# Allegro board TNR_REV00_150306.brd (continued)
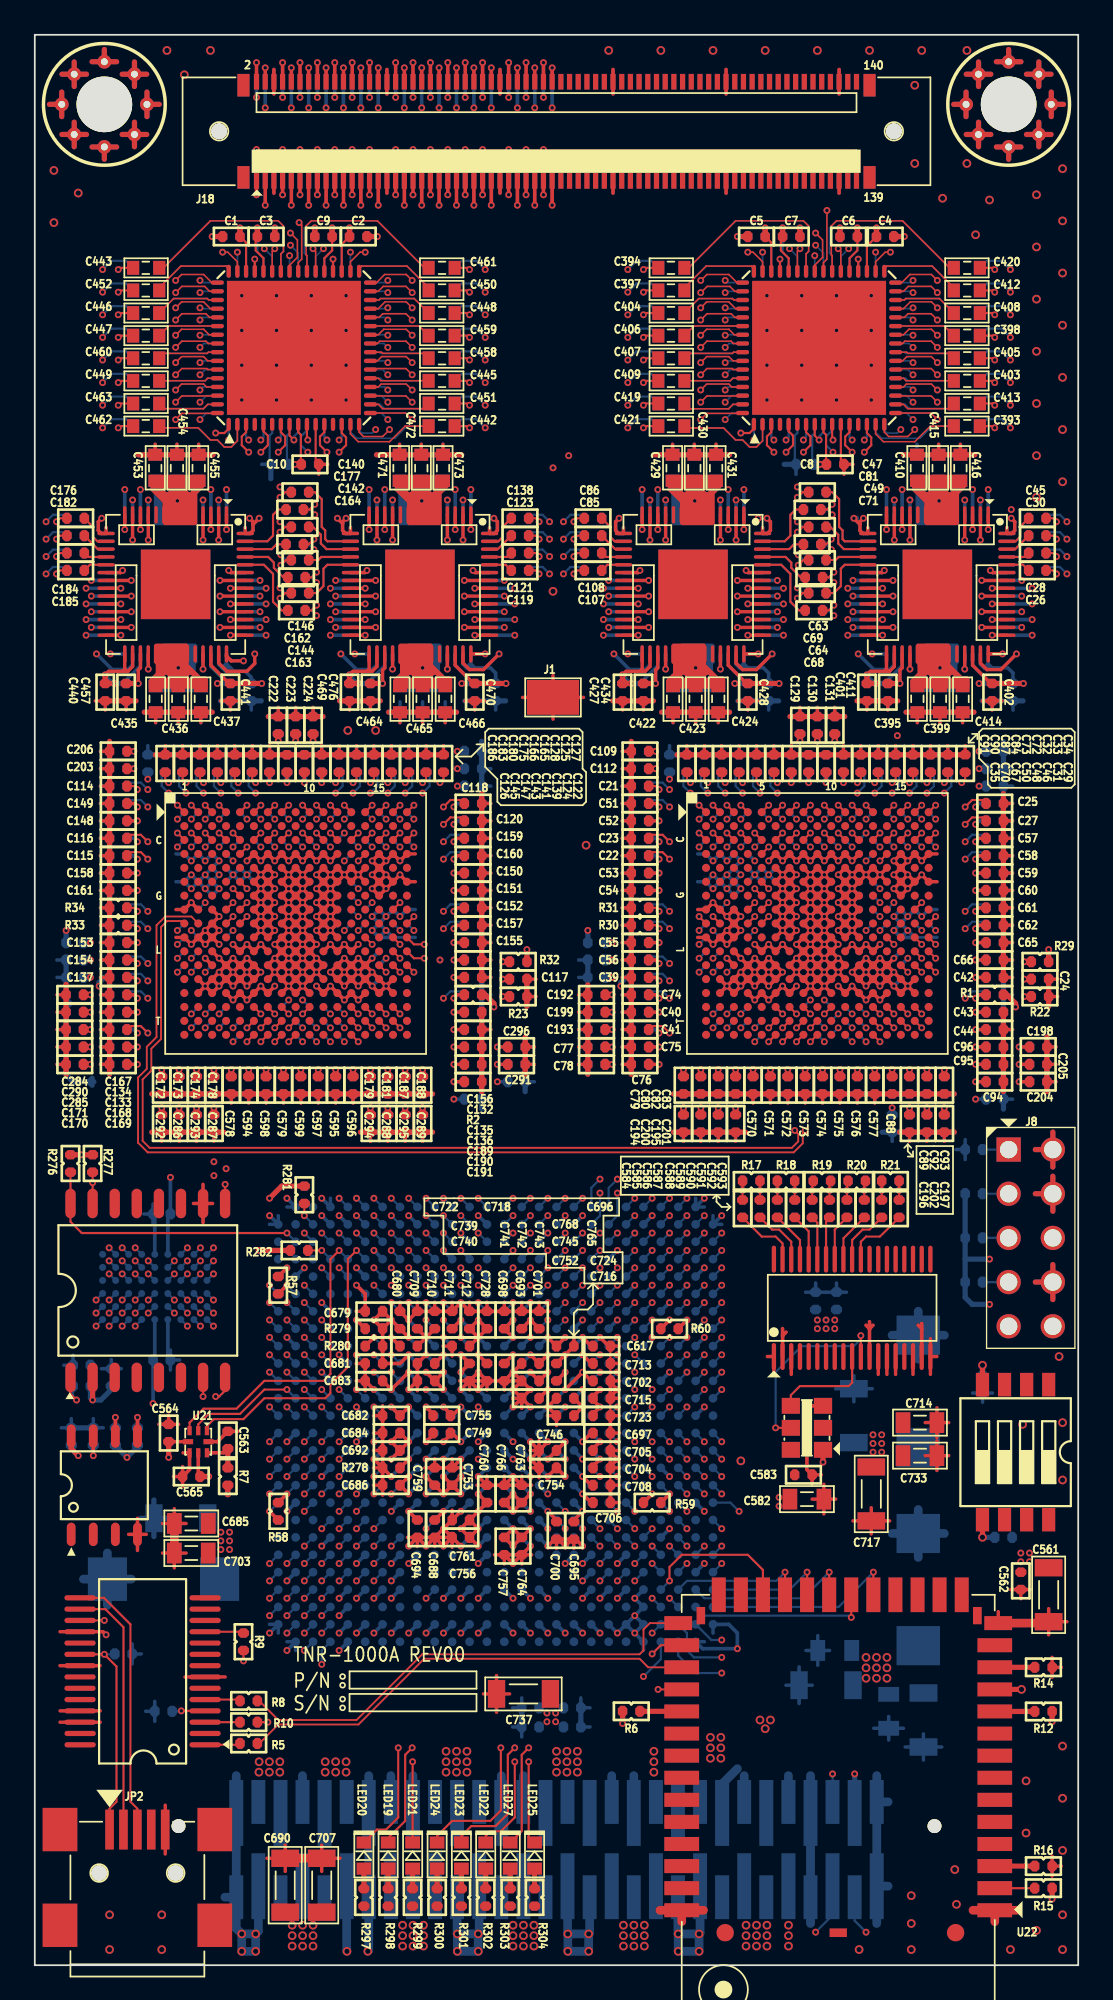
[diagram p0: board, top side]
## Routing (per net, layer and track width the routed paths; a pad name or vN(x,y) marks a point on that pad's centre or on a via; arc(x,y) is an arc through that point) (continued)
  6-IN w0.085: v1(44.3,48) 44.14,47.84 44.14,47.06 45.34,45.86 45.34,44.7 45.49,44.55 v1(45.7,44.55)
AFE2_CLKP: length 60.5
  TOP w0.11: v1(43.7,48) 43.9,47.8 43.9,47.37 43.53,47 6.6,47 6.2,47.4 6.2,50.93 6.7,51.43 6.7,52.7 7.26,53.26 7.26,59.69 7.61,60.04 8.49,60.04 8.6,59.93 U8.J1
  TOP w0.125: R19.2 44.7,45.04 v1(44.7,44.55) C588.1
  6-IN w0.085: v1(43.7,48) 43.86,47.84 43.86,46.94 45.06,45.74 45.06,43.56 45,43.5 44.8,43.5 44.7,43.6 v1(44.7,44.55)
AFE2_DCLKM: length 32.2
  TOP w0.125: U8.U9 v1(14.6,53.1)
  3-IN w0.085: v1(20.5,27.1) 20.3,27.1 20.2,27.2 20.2,27.41 19.87,27.74 17.35,27.74 17.13,27.96 17.13,44.57 16.73,44.98 15.31,44.98 14.94,45.35 14.94,51.86 14.47,52.33 14.47,52.98 v1(14.6,53.1)
  BOTTOM w0.125: U88.U19 v1(20.5,27.1)
AFE2_DCLKP: length 33.3
  TOP w0.125: U8.T9 v1(14.6,53.9)
  3-IN w0.085: v1(14.6,53.9) 14.6,53.6 14.2,53.2 14.2,52.21 14.66,51.75 14.66,45.23 15.2,44.7 16.61,44.7 16.86,44.46 16.86,27.84 17.23,27.46 19.76,27.46 19.93,27.3 19.93,27.2 19.82,27.1 v1(19.5,27.1)
  BOTTOM w0.125: U88.U20 v1(19.5,27.1)
AFE2_FCLKM: length 40.4
  TOP w0.125: U8.R8 v1(14.6,54.7)
  TOP w0.21: R58.2 v1(13.5,26.1)
  4-IN w0.085: v1(14.6,54.7) 14.2,54.3 14.2,53 14.67,52.53 14.67,47.33 15.3,46.7 17.91,46.7 19.86,44.75 19.86,31.78 19.69,31.6 14.3,31.6 13.86,31.16 13.86,26.46 v1(13.5,26.1)
  BOTTOM w0.125: U88.V26 v1(13.5,26.1)
AFE2_FCLKP: length 40.3
  TOP w0.125: U8.R10 v1(15.4,54.7)
  TOP w0.21: R58.1 v1(14.5,27.1)
  4-IN w0.085: v1(15.4,54.7) 15.01,54.31 15.01,52.81 14.95,52.74 14.95,47.44 15.41,46.98 18.02,46.98 20.14,44.86 20.14,31.66 19.8,31.32 14.41,31.32 14.14,31.05 14.14,26.76 14.2,26.7 14.5,26.7 14.6,26.8 14.6,27 v1(14.5,27.1)
  BOTTOM w0.125: U88.U25 v1(14.5,27.1)
AFE2_RESET: length 40.2
  TOP w0.125: v1(22.4,57.9) 21.8,57.9 U8.L17
  9-IN w0.095: v1(36.5,39.1) U88.F4 36,36 35.5,35.5 34,35.5 33.8,35.7 24.3,35.7 24.1,35.9 24.1,48.7 23.7,49.1 23.7,54.7 22.8,55.6 22.8,57.5 v1(22.4,57.9)
  BOTTOM w0.125: U88.F4 v1(36.5,39.1)
AFE2_SCLK: length 48
  TOP w0.125: U8.J17 v1(21.8,60.3)
  9-IN w0.095: v1(39.5,38.1) 39,38.6 38.3,38.6 37.9,38.2 37.9,34.9 37.6,34.6 35.7,34.6 35.6,34.5 34,34.5 33.9,34.6 23.4,34.6 23,35 23,54.5 22.2,55.3 22.2,57.2 21.7,57.7 21.7,58.7 22.2,59.2 22.2,59.9 v1(21.8,60.3)
  BOTTOM w0.125: U88.G1 v1(39.5,38.1)
AFE2_SDATA: length 46.8
  TOP w0.125: U8.L16 v1(21,57.9)
  9-IN w0.095: v1(38.5,38.1) 38.1,37.7 38.1,34.1 37.7,33.7 36.1,33.7 35.9,33.5 22.2,33.5 21.9,33.8 21.9,47.8 21.7,48 21.7,54.7 20.6,55.8 20.6,57.5 v1(21,57.9)
  BOTTOM w0.125: U88.G2 v1(38.5,38.1)
AFE2_SDOUT: length 39.6
  TOP w0.125: U8.H16 v1(21,61.1)
  9-IN w0.095: v1(21,61.1) 21.4,60.7 21.4,55.4 21.9,54.9 21.9,48.2 22.1,48 22.1,33.9 22.3,33.7 32.1,33.7 v1(32.5,34.1)
  BOTTOM w0.125: U88.L8 v1(32.5,34.1)
AFE2_SEN: length 42.3
  TOP w0.125: U8.K17 21.8,58.7 v1(22.4,58.7)
  9-IN w0.095: v1(22.4,58.7) 22,58.3 22,57.7 22.6,57.1 22.6,55.5 23.5,54.6 23.5,49 23.9,48.6 23.9,35.8 24.2,35.5 33.7,35.5 34,35.2 34,35 34.3,34.7 35.1,34.7 36,35.6 36.7,35.6 37,35.9 U88.G3 v1(37.5,38.1)
  BOTTOM w0.125: U88.G3 v1(37.5,38.1)
AFE2_SLOPE: length 43.1
  TOP w0.125: U8.H4 v1(11.4,61.1)
  3-IN w0.095: v1(11.4,61.1) 11.8,60.7 12.4,60.7 12.6,60.5 12.6,58.4 13.5,57.5 18,57.5 18.2,57.3 18.2,56.9 18.4,56.7 18.8,56.7 19,56.5 19,56.1 19.5,55.6 21.3,55.6 22,54.9 22,53.45 23.1,52.35 23.1,49.15 26.35,45.9 33.6,45.9 34,45.5 34,39 34.4,38.6 34.7,38.6 35.2,38.1 v1(35.5,38.1)
  BOTTOM w0.125: U88.G5 v1(35.5,38.1)
AFE2_TX_TRIG: length 39.8
  TOP w0.125: U8.M15 v1(20.2,57.1)
  9-IN w0.095: v1(23.3,57.8) 23.8,57.3 24.4,57.3 25,56.7 25,36.9 25.4,36.5 33.7,36.5 33.9,36.3 33.9,35.9 34.1,35.7 34.7,35.7 35,36 35,37.6 v1(34.5,38.1)
  11-IN w0.095: v1(23.3,57.8) 23,57.5 20.6,57.5 v1(20.2,57.1)
  BOTTOM w0.125: U88.G6 v1(34.5,38.1)
AFE2_UP/DN: length 57.3
  TOP w0.125: U8.J4 v1(11.4,60.3)
  9-IN w0.095: v1(38.5,37.1) 38.9,36.7 38.9,33.96 38.44,33.5 36.3,33.5 36,33.2 36,33 35.6,32.6 21.3,32.6 21,32.9 21,47 17.8,50.2 17.8,52.2 17.4,52.6 17.4,55 16.5,55.9 12,55.9 11.8,56.1 11.8,59.9 v1(11.4,60.3)
  BOTTOM w0.125: U88.H2 v1(38.5,37.1)
AFE3_CLKN: length 60.7
  TOP w0.125: C591.1 v1(47.7,44.55) 47.7,45.03 R20.1
  3-IN w0.085: v1(21,59.5) 21.2,59.5 21.6,59.1 21.9,59.1 22.8,60 22.8,60.8 23.1,61.1 25.8,61.1 26.27,61.58 26.27,68.69 26.41,68.83 26.66,68.83 26.82,68.66 26.82,58.79 28.1,57.51 28.1,47.9 28.7,47.3 36.2,47.3 40.58,42.92 46.92,42.92 47.34,43.34 47.34,44.44 47.45,44.55 v1(47.7,44.55)
  BOTTOM w0.125: U10.J2 v1(21,59.5)
AFE3_CLKP: length 60.6
  TOP w0.125: C590.1 v1(46.7,44.55) 46.7,45.03 R20.2
  3-IN w0.085: v1(46.7,44.55) 46.7,44.8 46.8,44.9 47,44.9 47.06,44.84 47.06,43.45 46.81,43.2 40.69,43.2 36.31,47.58 28.81,47.58 28.38,48.01 28.38,57.62 27.1,58.9 27.1,68.78 26.77,69.1 26.3,69.1 26,68.8 26,61.69 25.69,61.38 22.99,61.38 22.52,60.91 22.52,60.11 22.21,59.8 21.6,59.8 21.5,59.7 21.5,59.58 21.63,59.45 21.75,59.45 v1(21.8,59.5)
  BOTTOM w0.125: U10.J1 v1(21.8,59.5)
AFE3_DCLKM: length 40.2
  9-IN w0.085: v1(15.4,53.1) 15.28,52.98 15.28,52.73 15.95,52.05 15.95,51.14 20.14,46.95 20.14,31.95 20.52,31.57 34.78,31.57 34.86,31.65 34.86,32.04 34.8,32.1 v1(34.5,32.1)
  BOTTOM w0.125: U88.N6 v1(34.5,32.1) ; U10.U9 v1(15.4,53.1)
AFE3_DCLKP: length 42
  9-IN w0.085: v1(35.5,32.1) 35.2,32.1 35.14,32.04 35.14,31.54 34.89,31.29 20.41,31.29 19.86,31.84 19.86,46.84 15.67,51.03 15.67,51.94 15,52.61 15,53.2 15.4,53.6 v1(15.4,53.9)
  BOTTOM w0.125: U10.T9 v1(15.4,53.9) ; U88.N5 v1(35.5,32.1)
AFE3_FCLKM: length 51.3
  TOP w0.21: R59.2 v1(35.5,27.1)
  3-IN w0.085: v1(35.5,27.1) 35.8,27.1 35.86,27.04 35.86,25.81 35.78,25.73 27.27,25.73 26.6,26.4 26.6,28 25.86,28.73 19.15,28.73 18.14,29.75 18.14,44.75 17.11,45.77 16.28,45.77 15.94,46.11 15.94,52.31 15.8,52.45 U10.R8 v1(15.4,55.5)
  BOTTOM w0.125: U10.R8 v1(15.4,55.5) ; R59.2 v1(35.5,27.1)
AFE3_FCLKP: length 52.5
  TOP w0.21: R59.1 v1(36.5,27.1)
  3-IN w0.085: v1(36.5,27.1) 36.2,27.1 36.14,27.04 36.14,25.7 35.9,25.46 27.15,25.46 26.32,26.29 26.32,27.89 25.75,28.46 19.04,28.46 17.86,29.64 17.86,44.64 17,45.5 16.16,45.5 15.66,46 15.66,52.2 15,52.87 15,55.1 v1(14.6,55.5)
  BOTTOM w0.125: U88.U4 v1(36.5,27.1) ; U10.R10 v1(14.6,55.5)
AFE3_RESET: length 56.6
  8-IN w0.095: v1(8.2,57.9) 8.6,57.5 8.6,56.5 9.2,55.9 10.4,55.9 11.8,54.5 11.8,52.8 12.8,51.8 12.8,49.5 9.9,46.6 9.9,35 13.3,31.6 19.71,31.6 20,31.89 20,32.3 20.3,32.6 32.6,32.6 33,33 U88.J7 v1(33.5,36.1)
  BOTTOM w0.125: U88.J7 v1(33.5,36.1) ; U10.L17 v1(8.2,57.9)
AFE3_SCLK: length 64.8
  8-IN w0.095: v1(39.5,35.1) U88.K1 39,32 38,31 12.9,31 8.4,35.5 8.4,46.7 10.8,49.1 10.8,52 10.2,52.6 10.2,54.9 9.7,55.4 8.63,55.4 7.4,56.63 7.4,58.7 v1(8.2,59.5)
  BOTTOM w0.125: U10.J17 v1(8.2,59.5) ; U88.K1 v1(39.5,35.1)
AFE3_SDATA: length 51.9
  3-IN w0.095: v1(38.5,35.1) 38.2,35.1 37.7,34.6 35.7,34.6 34.7,33.6 31.3,33.6 31,33.9 31,44.4 30.3,45.1 25.5,45.1 21.8,48.8 21.8,52.7 21.4,53.1 21.4,54.8 21.1,55.1 18.4,55.1 18.2,55.3 18.2,55.7 18,55.9 9.6,55.9 9.4,56.1 9.4,57.5 v1(9,57.9)
  BOTTOM w0.125: U88.K2 v1(38.5,35.1) ; U10.L16 v1(9,57.9)
AFE3_SDOUT: length 68.1
  8-IN w0.095: v1(9.8,61.1) U10.H16 7.9,60.7 7,59.8 7,56.5 8.4,55.1 9.2,55.1 9.4,54.9 9.4,53.6 9.8,53.2 9.8,49.1 7.3,46.6 7.3,44.4 7.6,44.1 7.6,34.1 11.1,30.6 38.1,30.6 39.5,32 v1(39.5,33.1)
  BOTTOM w0.125: U10.H16 v1(9.8,61.1) ; U88.M1 v1(39.5,33.1)
AFE3_SEN: length 61.3
  8-IN w0.095: v1(37.5,35.1) U88.K3 37,31.9 36.5,31.4 13.2,31.4 9.15,35.45 9.15,46.45 11.8,49.1 11.8,51.9 11,52.7 11,54.9 10.2,55.7 8.9,55.7 7.8,56.8 7.8,58.3 v1(8.2,58.7)
  BOTTOM w0.125: U88.K3 v1(37.5,35.1) ; U10.K17 v1(8.2,58.7)
AFE3_SLOPE: length 41.9
  3-IN w0.095: v1(19.4,61.1) U10.H4 19,57.7 19.2,57.5 19.6,57.5 19.8,57.3 19.8,56.9 20,56.7 21,56.7 22.6,55.1 22.6,53.7 23.7,52.6 23.7,49.4 26.4,46.7 34.6,46.7 36.1,45.2 36.1,37.8 35.8,37.5 35.3,37.5 35.1,37.3 35.1,35.7 35.7,35.1 v1(36.5,35.1)
  BOTTOM w0.125: U88.K4 v1(36.5,35.1) ; U10.H4 v1(19.4,61.1)
AFE3_TX_TRIG: length 43.2
  3-IN w0.095: v1(34.5,35.1) 34,35.6 32.3,35.6 32,35.9 32,44.7 31.2,45.5 26.3,45.5 22.8,49 22.8,52.2 21.7,53.3 21.7,54.8 21.2,55.3 19.4,55.3 18.8,55.9 18.4,55.9 18.2,56.1 18.2,56.5 18,56.7 10.2,56.7 v1(9.8,57.1)
  BOTTOM w0.125: U88.K5 v1(34.5,35.1) ; U10.M15 v1(9.8,57.1)
AFE3_UP/DN: length 40.9
  3-IN w0.095: v1(34.5,34.1) 34.9,34.5 34.9,37.38 35.22,37.7 35.72,37.7 35.9,37.88 35.9,38.3 35.6,38.6 35.3,38.6 35,38.9 35,45.2 33.9,46.3 26.38,46.3 23.4,49.28 23.4,52.48 22.3,53.58 22.3,55 21.4,55.9 20,55.9 19.8,56.1 19.8,56.5 19.6,56.7 19.2,56.7 19,56.9 19,57.3 18.8,57.5 18.4,57.5 18.2,57.7 18.2,59.1 v1(18.6,59.5)
  BOTTOM w0.125: U10.J4 v1(18.6,59.5) ; U88.K6 v1(34.5,34.1)
AFE4_CLKN: length 60.2
  TOP w0.125: C593.1 v1(49.7,44.55) R21.1
  9-IN w0.085: v1(49.7,44.55) 49.45,44.55 49.34,44.44 49.34,42.55 49.89,42 51.14,42 arc(51.45,41.87) 51.58,41.56 51.58,39.71 arc(51.63,39.59) 51.75,39.54 53.77,39.54 arc(53.94,39.71) 53.77,39.88 52.37,39.88 arc(51.92,40.33) 52.37,40.77 53.47,40.77 arc(53.64,40.94) 53.47,41.11 52.37,41.11 arc(51.92,41.56) 52.37,42 54.01,42 54.23,42.22 54.23,48.66 arc(54.06,48.83) 53.89,48.66 53.89,42.85 arc(53.44,42.4) 53,42.85 53,45.37 arc(52.83,45.54) 52.66,45.37 52.66,42.89 arc(52.22,42.45) 51.77,42.89 51.77,45.99 arc(51.9,46.3) 52.22,46.43 52.83,46.43 arc(52.95,46.48) 53,46.6 53,52.2 52.4,52.8 52.4,58.91 52.21,59.1 51.7,59.1 51.3,59.5 v1(51,59.5)
  BOTTOM w0.125: U11.J2 v1(51,59.5)
AFE4_CLKP: length 60.7
  TOP w0.125: R21.2 v1(48.7,44.55) C592.1
  9-IN w0.085: v1(48.7,44.55) 48.95,44.55 49.06,44.44 49.06,42.44 49.77,41.73 51.14,41.73 arc(51.26,41.68) 51.31,41.56 51.31,39.71 arc(51.44,39.4) 51.75,39.27 53.77,39.27 arc(54.21,39.71) 53.77,40.16 52.37,40.16 arc(52.2,40.33) 52.37,40.5 53.47,40.5 arc(53.91,40.94) 53.47,41.39 52.37,41.39 arc(52.2,41.56) 52.37,41.73 54.12,41.73 54.5,42.1 54.5,48.66 arc(54.06,49.1) 53.61,48.66 53.61,42.85 arc(53.44,42.68) 53.27,42.85 53.27,45.37 arc(52.83,45.82) 52.39,45.37 52.39,42.89 arc(52.22,42.72) 52.05,42.89 52.05,45.99 arc(52.1,46.11) 52.22,46.16 52.83,46.16 arc(53.14,46.29) 53.27,46.6 53.27,52.31 52.67,52.91 52.67,59.02 52.33,59.38 51.92,59.38 v1(51.8,59.5)
  BOTTOM w0.125: U11.J1 v1(51.8,59.5)
AFE4_DCLKM: length 30.9
  9-IN w0.085: v1(45.4,53.1) 45.27,52.98 45.27,52.6 44.94,52.27 44.94,51.05 47.34,48.64 47.34,40.65 44.3,37.6 44.3,35.11 41.65,32.46 36.56,32.46 36.5,32.4 v1(36.5,32.1)
  BOTTOM w0.125: U11.U9 v1(45.4,53.1) ; U88.N4 v1(36.5,32.1)
AFE4_DCLKP: length 31.4
  9-IN w0.085: v1(36.5,33.1) 36.5,32.8 36.56,32.74 41.54,32.74 44.02,35.23 44.02,37.71 47.07,40.76 47.07,48.53 44.66,50.94 44.66,52.38 45,52.71 45,53.5 v1(45.4,53.9)
  BOTTOM w0.125: U11.T9 v1(45.4,53.9) ; U88.M4 v1(36.5,33.1)
AFE4_FCLKM: length 33.2
  TOP w0.21: R60.1 v1(37.5,37.1)
  3-IN w0.085: v1(45.4,55.5) 45,55.1 45,52.76 44.95,52.7 44.95,50.16 45.7,49.4 45.7,46.39 46.11,45.98 47.92,45.98 48.34,45.56 48.34,42.34 47.33,41.33 41.41,41.33 40.98,40.89 40.98,38.08 40.36,37.46 37.26,37.46 37.2,37.4 37.2,37.16 37.26,37.1 v1(37.5,37.1)
  BOTTOM w0.125: R60.1 v1(37.5,37.1) ; U11.R8 v1(45.4,55.5)
AFE4_FCLKP: length 33.5
  TOP w0.21: R60.2 v1(36.5,37.1)
  3-IN w0.085: v1(44.6,55.5) U11.R10 44.2,53 44.67,52.53 44.67,50.04 45.42,49.29 45.42,46.27 46,45.7 47.81,45.7 48.06,45.45 48.06,42.45 47.21,41.6 41.3,41.6 40.7,41 40.7,38.19 40.25,37.74 37.15,37.74 36.92,37.51 36.92,37.23 36.8,37.1 v1(36.5,37.1)
  BOTTOM w0.125: R60.2 v1(36.5,37.1) ; U11.R10 v1(44.6,55.5)
AFE4_RESET: length 27.7
  4-IN w0.095: v1(38.2,57.9) 38,58.1 35.8,58.1 34.7,57 34.7,56.2 34.2,55.7 34.2,44.9 33.9,44.6 33.9,35.5 v1(33.5,35.1)
  BOTTOM w0.125: U88.K7 v1(33.5,35.1) ; U11.L17 v1(38.2,57.9)
AFE4_SCLK: length 31.6
  4-IN w0.095: v1(32.5,35.1) 32,35.6 32,39.2 32.3,39.5 32.6,39.5 32.9,39.8 32.9,45.5 32.7,45.7 32.7,58 33,58.3 33.8,58.3 35.6,60.1 37.6,60.1 v1(38.2,59.5)
  BOTTOM w0.125: U88.K8 v1(32.5,35.1) ; U11.J17 v1(38.2,59.5)
AFE4_SDATA: length 32.6
  4-IN w0.095: v1(39,57.9) 39.4,57.5 40,57.5 40.2,57.3 40.2,57 39.9,56.7 39.5,56.7 38.6,55.8 38.1,55.8 36.6,54.3 35.8,54.3 35.3,53.8 35.3,44.5 35.1,44.3 35.1,38.9 35.4,38.6 35.7,38.6 36,38.3 36,35 36.4,34.6 39,34.6 v1(39.5,34.1)
  BOTTOM w0.125: U88.L1 v1(39.5,34.1) ; U11.L16 v1(39,57.9)
AFE4_SDOUT: length 41.5
  4-IN w0.095: v1(38.5,33.1) U88.M2 38,32 37.6,31.6 33.41,31.6 33,32.01 33,35 33.1,35.1 33.1,45.5 33.8,46.2 33.8,55.8 34.2,56.2 34.2,57 35.6,58.4 36.6,58.4 37.3,59.1 39.1,59.1 39.4,59.4 U11.H16 v1(39.8,61.1)
  BOTTOM w0.125: U11.H16 v1(39.8,61.1) ; U88.M2 v1(38.5,33.1)
AFE4_SEN: length 35
  4-IN w0.095: v1(38.2,58.7) 38.6,58.3 38.6,57.8 38.3,57.5 37.6,57.5 37.2,57.1 35.8,57.1 35.2,56.5 35.2,56.2 34.5,55.5 34.5,44.7 34.1,44.3 34.1,33.9 34.5,33.5 34.7,33.5 35,33.2 35,32.9 35.2,32.7 36.7,32.7 38.1,34.1 v1(38.5,34.1)
  BOTTOM w0.125: U11.K17 v1(38.2,58.7) ; U88.L2 v1(38.5,34.1)
AFE4_SLOPE: length 46.4
  3-IN w0.095: v1(37.5,34.1) 37.7,34.1 38.2,34.6 49.9,34.6 53.2,37.9 53.2,53.38 51.48,55.1 48.4,55.1 48.2,55.3 48.2,59.7 48.4,59.9 48.8,59.9 49,60.1 U11.H4 v1(49.4,61.1)
  BOTTOM w0.125: U88.L3 v1(37.5,34.1) ; U11.H4 v1(49.4,61.1)
AFE4_TX_TRIG: length 29.4
  4-IN w0.095: v1(39.8,57.1) 39.5,57.1 38.5,56.1 35.7,56.1 34.9,55.3 34.9,34.7 35.5,34.1 v1(35.5,33.1)
  BOTTOM w0.125: U11.M15 v1(39.8,57.1) ; U88.L5 v1(35.5,33.1)
AFE4_UP/DN: length 47.1
  3-IN w0.095: v1(34.5,33.1) 34.9,33.1 35.4,33.6 39.8,33.6 40.5,34.3 50.1,34.3 53.5,37.7 53.5,53.5 51.6,55.4 49.7,55.4 49,56.1 49,59.1 v1(48.6,59.5)
  BOTTOM w0.125: U11.J4 v1(48.6,59.5) ; U88.L6 v1(34.5,33.1)
BATT_ADC_CS: length 17.7
  TOP w0.125: U21.1 9.9,31 10.3,31.4 12,31.4 13.2,32.6 16.7,32.6 17,32.9 17,33.4 18,34.4 18,40.6 v1(18.5,41.1)
  BOTTOM w0.125: U88.D21 v1(18.5,41.1)
BATT_ADC_SCLK: length 17.7
  TOP w0.125: U21.3 8.9,31.2 9.7,32 11.6,32 13.2,33.6 16.6,33.6 17,34 17,40.6 v1(17.5,41.1)
  BOTTOM w0.125: U88.D22 v1(17.5,41.1)
BATT_ADC_SDO: length 7
  TOP w0.125: v1(14.5,33.1) 13.2,33.1 11.8,31.7 10,31.7 9.4,31.1 U21.2
  BOTTOM w0.125: U88.M25 v1(14.5,33.1)
BATT_LEVEL: length 64.9
  TOP w0.3: R7.2 v1(11.1,27.1) ; R15.1 v1(58.5,3.8)
  8-IN w0.3: v1(11.1,27.1) 12.6,25.6 12.6,18.3 15.7,15.2 42.95,15.2 v1(47.15,11) 51.7,11 58.5,4.2 v1(58.5,3.8)
  BOTTOM w0.3: J20.57 v1(47.15,11)
DBG_LED0: length 27.4
  TOP w0.125: v1(20.9,12.5) 20.9,8.5 20.2,7.8 19.67,7.8 LED20.2
  4-IN w0.095: v1(36.5,21.1) 36.5,20.8 35,19.3 35,18.6 31.6,15.2 25.1,15.2 22,12.1 21.3,12.1 v1(20.9,12.5)
  BOTTOM w0.125: U88.AD3 v1(36.5,21.1)
DBG_LED1: length 25.1
  TOP w0.125: LED19.2 20.32,7.32 21.3,8.3 21.3,12.1 v1(21.7,12.5)
  4-IN w0.095: v1(35.5,21.1) 35.5,20.4 34.7,19.6 34.3,19.6 34,19.3 34,18.2 31.42,15.62 24.82,15.62 v1(21.7,12.5)
  BOTTOM w0.125: U88.AD4 v1(35.5,21.1)
DBG_LED2: length 27.2
  TOP w0.125: LED21.2 v1(21.73,11.7)
  11-IN w0.095: v1(39.5,18.7) 36,15.2 25.23,15.2 v1(21.73,11.7)
  BOTTOM w0.125: v1(39.5,18.7) 38.9,18.7 U88.AE2
DBG_LED3: length 27
  TOP w0.125: v1(26.8,12.5) 26.8,8.9 26.2,8.3 24,8.3 23.14,7.44 LED24.2
  11-IN w0.095: v1(26.8,12.5) 27.6,13.3 34.8,13.3 39.2,17.7 v1(39.5,17.7)
  BOTTOM w0.125: U88.AE3 37.5,19.1 37.5,18.1 37.9,17.7 v1(39.5,17.7)
DBG_LED4: length 19.2
  TOP w0.125: v1(27.6,12.5) 27.2,12.1 27.2,8.7 26.5,8 25.1,8 24.53,7.43 LED23.2
  4-IN w0.095: v1(27.6,12.5) 28.57,13.47 30.37,13.47 35.5,18.6 v1(35.5,19.1)
  BOTTOM w0.125: U88.AE4 v1(35.5,19.1)
DBG_LED5: length 23.4
  TOP w0.125: LED22.2 25.93,7.43 26.2,7.7 26.8,7.7 27.6,8.5 v1(27.6,11.7)
  11-IN w0.095: v1(27.6,11.7) 28,12.1 28.7,12.1 29.4,12.8 35,12.8 39,16.8 v1(39.5,16.8)
  BOTTOM w0.125: v1(39.5,16.8) 38,16.8 37,17.8 U88.AF3
DBG_LED6: length 16.6
  TOP w0.125: LED27.2 28,7.71 28,12.1 v1(28.4,12.5)
  4-IN w0.095: v1(28.4,12.5) 29,13.1 31.5,13.1 v1(35,16.6)
  BOTTOM w0.125: v1(35,16.6) 36,17.6 U88.AF4
DBG_LED7: length 44.4
  TOP w0.125: LED25.2 28.4,7.39 v1(28.4,11.7)
  3-IN w0.095: v1(16.5,42.1) 16,41.6 16,27 16.4,26.6 19.2,26.6 21,24.8 21,18.8 26,13.8 26,12.3 27.1,11.2 27.9,11.2 v1(28.4,11.7)
  BOTTOM w0.125: U88.C23 v1(16.5,42.1)
EEPROM_SCL: length 22
  TOP w0.21: J2.6 v1(4.63,31.5)
  4-IN w0.095: v1(4.63,31.5) 6.83,33.7 16.72,33.7 16.9,33.88 16.9,39.7 v1(16.5,40.1)
  BOTTOM w0.125: U88.E23 v1(16.5,40.1)
  BOTTOM w0.21: v1(4.63,31.5) R56.1
EEPROM_SDA: length 21.3
  TOP w0.21: J2.5 v1(5.91,31.5)
  4-IN w0.095: v1(17.5,40.1) 17.1,39.7 17.1,33.8 16.8,33.5 7.4,33.5 5.91,32.01 v1(5.91,31.5)
  BOTTOM w0.125: U88.E22 v1(17.5,40.1)
  BOTTOM w0.21: v1(5.91,31.5) R55.1
FPGA_CLKN: length 21.3
  TOP w0.125: C585.1 v1(41.7,44.55) R17.1
  12-IN w0.085: v1(41.7,44.55) 41.65,44.6 41.4,44.6 41.34,44.66 41.34,44.96 41,45.3 40.4,45.3 39.92,44.83 39.92,43.99 40.2,43.71 40.2,41.09 39.85,40.74 27.56,40.74 27.5,40.8 v1(27.5,41.1)
  BOTTOM w0.125: U88.D13 v1(27.5,41.1)
FPGA_CLKP: length 20.8
  TOP w0.125: C584.1 v1(40.7,44.55) R17.2
  12-IN w0.085: v1(40.7,44.55) 40.75,44.6 41,44.6 41.06,44.66 41.06,44.85 40.89,45.02 40.51,45.02 40.2,44.71 40.2,44.1 40.48,43.83 40.48,40.98 39.96,40.46 27.56,40.46 27.5,40.4 v1(27.5,40.1)
  BOTTOM w0.125: U88.E13 v1(27.5,40.1)
FPGA_CS: length 15.1
  TOP w0.125: U28.7 v1(9.68,32.7)
  3-IN w0.095: v1(15.5,42.1) 12.5,39.1 12.5,33.5 11.3,32.3 10.07,32.3 v1(9.68,32.7)
  BOTTOM w0.125: U88.C24 v1(15.5,42.1)
FPGA_DI: length 28.7
  TOP w0.125: U28.15 v1(3.33,45) R277.2
  11-IN w0.095: v1(3.33,45) 3.33,44.33 2,43 2,36.4 2.8,35.6 18,35.6 v1(18.5,35.1)
  BOTTOM w0.125: U88.K21 v1(18.5,35.1)
FPGA_DO: length 13.2
  TOP w0.125: v1(10.4,32.7) 10.6,32.7 10.95,33.05 U28.8
  4-IN w0.095: v1(19.5,35.1) 19,34.6 19,33 18.7,32.7 v1(10.4,32.7)
  BOTTOM w0.125: U88.K20 v1(19.5,35.1)
FPGA_MCLK: length 16.3
  TOP w0.125: R276.2 2.06,42.74 2.7,42.1 v1(14.5,42.1)
  BOTTOM w0.125: U88.C25 v1(14.5,42.1)
HV1_CK: length 48.1
  TOP w0.21: U13.42 v1(55.65,75.4)
  6-IN w0.095: v1(37.5,44.1) 36.9,44.7 36.9,52.1 37.3,52.5 37.3,68.3 38.2,69.2 50.5,69.2 55.65,74.35 v1(55.65,75.4)
  BOTTOM w0.125: U88.A3 v1(37.5,44.1)
HV1_CW: length 51.2
  TOP w0.2: v1(56.45,75.4) 55.55,74.5 54.75,74.5 54.38,74.88 U13.41
  6-IN w0.095: v1(36.5,44.1) 36.5,52.22 36.9,52.62 36.9,68.5 38.1,69.7 49.3,69.7 55.5,75.9 55.95,75.9 v1(56.45,75.4)
  BOTTOM w0.125: U88.A4 v1(36.5,44.1)
HV1_IN1_0: length 51.3
  TOP w0.2: U13.43 v1(55.05,76.47)
  11-IN w0.095: v1(55.05,76.47) 55.05,75.45 56.3,74.2 56.3,55.8 56,55.5 56,50.6 50.5,45.1 36.5,45.1 v1(35.5,44.1)
  BOTTOM w0.125: U88.A5 v1(35.5,44.1)
HV1_IN1_1: length 53.2
  TOP w0.2: 55.9,76.92 v1(54.45,76.92)
  11-IN w0.095: v1(54.45,76.92) 54.45,75.75 56.1,74.1 56.1,55.88 55.8,55.58 55.8,50.68 50.52,45.4 35.8,45.4 v1(34.5,44.1)
  BOTTOM w0.125: U88.A6 v1(34.5,44.1)
HV1_IN2_0: length 55.5
  TOP w0.2: U13.45 v1(55.05,77.38)
  11-IN w0.095: v1(33.5,45.2) 34.15,45.85 50.68,45.85 55.6,50.77 55.6,55.67 55.9,55.97 55.9,74.02 54,75.92 54,77.1 54.27,77.38 v1(55.05,77.38)
  BOTTOM w0.125: v1(33.5,45.2) 33,44.7 U88.A7
HV1_IN2_1: length 57.1
  TOP w0.2: U13.46 v1(54.45,77.83)
  11-IN w0.095: v1(32.5,45.2) 33.5,46.2 50.7,46.2 53.6,49.1 53.6,49.9 53.9,50.2 54.5,50.2 55.4,51.1 55.4,55.75 55.7,56.05 55.7,73.94 53.8,75.84 53.8,77.4 54.23,77.83 v1(54.45,77.83)
  BOTTOM w0.125: v1(32.5,45.2) 32,44.7 U88.A8
HV1_IN3_0: length 58.3
  TOP w0.2: U13.47 v1(55.05,78.28)
  11-IN w0.095: v1(55.05,78.28) 54.17,78.28 53.6,77.7 53.6,75.76 55.5,73.86 55.5,56.13 55.2,55.83 55.2,51.18 54.42,50.4 53.82,50.4 53.4,49.98 53.4,49.18 50.72,46.5 33,46.5 31.5,45 v1(31.5,44.1)
  BOTTOM w0.125: U88.A9 v1(31.5,44.1)
HV1_IN3_1: length 59.2
  TOP w0.2: 55.9,78.72 v1(54.45,78.72)
  11-IN w0.095: v1(54.45,78.72) 54.23,78.72 53.4,77.9 53.4,75.68 55.3,73.78 55.3,56.21 55,55.91 55,51.8 54.4,51.2 53.9,51.2 53.2,50.5 53.2,49.26 50.74,46.8 32.8,46.8 30.5,44.5 v1(30.5,44.1)
  BOTTOM w0.125: U88.A10 v1(30.5,44.1)
HV1_IN4_0: length 60.2
  TOP w0.2: U13.49 v1(55.05,79.17)
  11-IN w0.095: v1(55.05,79.17) 54.27,79.17 53.2,78.1 53.2,75.59 55.1,73.69 55.1,56.3 54.8,56 54.8,51.88 54.32,51.4 53.82,51.4 53,50.58 53,49.34 50.76,47.1 32.5,47.1 v1(29.5,44.1)
  BOTTOM w0.125: U88.A11 v1(29.5,44.1)
HV1_IN4_1: length 61.4
  TOP w0.2: U13.50 v1(54.45,79.62)
  11-IN w0.095: v1(28.5,44.1) 31.85,47.45 50.75,47.45 51.8,48.5 51.8,50.2 53.9,52.3 54.3,52.3 54.6,52.6 54.6,56.08 54.9,56.38 54.9,73.61 53,75.51 53,78.4 54.23,79.62 v1(54.45,79.62)
  BOTTOM w0.125: U88.A12 v1(28.5,44.1)
HV1_IN5_0: length 59.9
  TOP w0.2: U13.21 v1(49.35,79.62)
  8-IN w0.095: v1(49.35,79.62) 49.35,80.25 49,80.6 45.1,80.6 44.6,80.1 43.5,80.1 42.7,80.9 33.7,80.9 29,76.2 29,64.4 25.8,61.2 25.8,45.8 v1(27.5,44.1)
  BOTTOM w0.125: U88.A13 v1(27.5,44.1)
HV1_IN5_1: length 61.5
  TOP w0.2: U13.22 v1(48.75,79.17)
  8-IN w0.095: v1(48.75,79.17) 49.5,79.17 49.8,79.47 49.8,80.2 49.2,80.8 47.68,80.8 46.08,82.4 45.3,82.4 44.4,81.5 43.62,81.5 43.22,81.1 33.5,81.1 28.7,76.3 28.7,64.5 25.5,61.3 v1(25.5,44.1)
  BOTTOM w0.125: U88.A14 v1(25.5,44.1)
HV1_IN6_0: length 63.1
  TOP w0.2: 47.9,78.72 v1(49.35,78.72)
  8-IN w0.095: v1(49.35,78.72) 49.52,78.72 50,79.2 50,80.3 49.3,81 47.77,81 46.17,82.6 45.2,82.6 44.3,81.7 43.53,81.7 43.13,81.3 33.3,81.3 28.4,76.4 28.4,64.6 25.2,61.4 25.2,44.8 v1(24.5,44.1)
  BOTTOM w0.125: U88.A15 v1(24.5,44.1)
HV1_IN6_1: length 64.8
  TOP w0.2: U13.24 v1(48.75,78.28)
  8-IN w0.095: v1(23.5,44.1) 24.9,45.5 24.9,61.5 28.1,64.7 28.1,76.5 33.1,81.5 43.05,81.5 43.45,81.9 44.2,81.9 45.1,82.8 46.25,82.8 47.85,81.2 49.4,81.2 50.2,80.4 50.2,78.9 49.58,78.28 v1(48.75,78.28)
  BOTTOM w0.125: U88.A16 v1(23.5,44.1)
HV1_IN7_0: length 50.2
  TOP w0.2: U13.25 v1(49.35,77.83)
  8-IN w0.095: v1(36.5,43.1) 36,43.6 36,44.2 35,45.2 35,69.7 36.7,71.4 47.1,71.4 49.1,73.4 49.1,75.3 50,76.2 50,77.3 49.48,77.83 v1(49.35,77.83)
  BOTTOM w0.125: U88.B4 v1(36.5,43.1)
HV1_IN7_1: length 49.4
  TOP w0.2: U13.26 v1(48.75,77.38)
  8-IN w0.095: v1(34.5,43.1) 35,43.6 35,44.5 34.7,44.8 34.7,69.8 36.6,71.7 47,71.7 48.8,73.5 48.8,75.4 49.8,76.4 49.8,77.1 49.52,77.38 v1(48.75,77.38)
  BOTTOM w0.125: U88.B6 v1(34.5,43.1)
HV1_IN8_0: length 47.5
  TOP w0.2: 47.9,76.92 v1(49.35,76.92)
  8-IN w0.095: v1(33.5,44.4) 34.4,45.3 34.4,69.9 36.5,72 43.4,72 47.4,76 49,76 49.35,76.35 v1(49.35,76.92)
  BOTTOM w0.125: v1(33.5,44.4) 33.5,43.1 U88.B7
HV1_IN8_1: length 46.5
  TOP w0.2: U13.28 v1(48.75,76.47)
  8-IN w0.095: v1(48.75,76.47) 47.48,76.47 43.3,72.3 36.4,72.3 34.1,70 34.1,46.5 33,45.4 33,44.9 v1(32.5,44.4)
  BOTTOM w0.125: v1(32.5,44.4) 32.5,43.1 U88.B8
HV2_CK: length 44
  TOP w0.21: U14.42 v1(41.6,75.4)
  6-IN w0.095: v1(41.6,75.4) 35,75.4 34.6,75.8 33.1,75.8 31,73.7 31,43.6 v1(30.5,43.1)
  BOTTOM w0.125: U88.B10 v1(30.5,43.1)
HV2_CW: length 48.3
  TOP w0.2: U14.41 40.33,74.88 40.7,74.5 41.5,74.5 v1(42.4,75.4)
  6-IN w0.095: v1(29.5,43.1) 30,43.6 30,73.6 32.5,76.1 41.7,76.1 v1(42.4,75.4)
  BOTTOM w0.125: U88.B11 v1(29.5,43.1)
HV2_IN1_0: length 41.5
  TOP w0.2: U14.43 v1(41,76.47)
  11-IN w0.095: v1(41,76.47) 41,75.1 38.6,72.7 36.8,72.7 32.5,68.4 32.5,49.7 28.1,45.3 28.1,43.5 v1(28.5,43.1)
  BOTTOM w0.125: U88.B12 v1(28.5,43.1)
HV2_IN1_1: length 42.4
  TOP w0.2: 41.85,76.92 v1(40.4,76.92)
  11-IN w0.095: v1(27.5,43.1) 27.9,43.5 27.9,45.5 32.2,49.8 32.2,68.52 36.68,73 38.48,73 40.4,74.92 v1(40.4,76.92)
  BOTTOM w0.125: U88.B13 v1(27.5,43.1)
HV2_IN2_0: length 44.3
  TOP w0.2: U14.45 v1(41,77.38)
  8-IN w0.095: v1(36.5,42.1) 35.9,42.7 34.28,42.7 33.28,43.7 32.6,43.7 32.1,44.2 32.1,45.4 32.6,45.9 32.6,68.9 36.5,72.8 36.8,72.8 38.5,74.5 38.5,75.6 40.27,77.38 v1(41,77.38)
  BOTTOM w0.125: U88.C4 v1(36.5,42.1)
HV2_IN2_1: length 43.9
  TOP w0.2: U14.46 v1(40.4,77.83)
  8-IN w0.095: v1(40.4,77.83) 40.33,77.83 36.9,74.4 36.9,73.6 32.3,69 32.3,46.1 31.9,45.7 31.9,44.12 32.52,43.5 33.2,43.5 34.2,42.5 35.1,42.5 v1(35.5,42.1)
  BOTTOM w0.125: U88.C5 v1(35.5,42.1)
HV2_IN3_0: length 44.7
  TOP w0.2: U14.47 v1(41,78.28)
  8-IN w0.095: v1(41,78.28) 40.17,78.28 36.7,74.8 36.7,73.9 31.1,68.3 31.1,43.8 31.3,43.6 31.8,43.6 32.4,43 33.2,43 34.1,42.1 v1(34.5,42.1)
  BOTTOM w0.125: U88.C6 v1(34.5,42.1)
HV2_IN3_1: length 52.5
  TOP w0.2: 41.85,78.72 v1(40.4,78.72)
  8-IN w0.095: v1(40.4,78.72) 41.15,78.72 41.4,78.97 41.4,80.4 41.1,80.7 40.7,80.7 34.7,74.7 34.7,73.1 30.2,68.6 30.2,45.6 29.9,45.3 29.9,42.1 30.3,41.7 33.1,41.7 v1(33.5,42.1)
  BOTTOM w0.125: U88.C7 v1(33.5,42.1)
HV2_IN4_0: length 44.4
  TOP w0.2: U14.49 v1(41,79.17)
  8-IN w0.095: v1(32.5,42.1) 32,42.6 31.3,42.6 30.9,43 30.9,44.6 30.8,44.7 30.8,68.4 35.3,72.9 35.3,74.22 40.25,79.17 v1(41,79.17)
  BOTTOM w0.125: U88.C8 v1(32.5,42.1)
HV2_IN4_1: length 45
  TOP w0.2: U14.50 v1(40.4,79.62)
  8-IN w0.095: v1(31.5,42.1) 31.3,42.1 30.8,42.6 30.4,42.6 30.1,42.9 30.1,45 30.5,45.4 30.5,68.5 35,73 35,74.5 40.12,79.62 v1(40.4,79.62)
  BOTTOM w0.125: U88.C9 v1(31.5,42.1)
HV2_IN5_0: length 45.2
  TOP w0.2: U14.21 v1(35.3,79.62)
  4-IN w0.095: v1(35.3,79.62) 35.5,79.83 35.5,80.15 35.05,80.6 33.15,80.6 30.7,78.15 30.7,45 30.1,44.4 30.1,42.5 v1(30.5,42.1)
  BOTTOM w0.125: U88.C10 v1(30.5,42.1)
HV2_IN5_1: length 46.5
  TOP w0.2: U14.22 v1(34.7,79.17)
  4-IN w0.095: v1(29.5,42.1) 29.9,42.5 29.9,44.6 30.4,45.1 30.4,78.13 33.07,80.8 35.13,80.8 35.7,80.23 35.7,79.4 35.48,79.17 v1(34.7,79.17)
  BOTTOM w0.125: U88.C11 v1(29.5,42.1)
HV2_IN6_0: length 48.1
  TOP w0.2: 33.85,78.72 v1(35.3,78.72)
  4-IN w0.095: v1(35.3,78.72) 35.52,78.72 35.9,79.1 35.9,80.32 35.22,81 32.98,81 30.1,78.12 30.1,45.9 29,44.8 29,42.6 v1(28.5,42.1)
  BOTTOM w0.125: U88.C12 v1(28.5,42.1)
